# KiCad board sun3_60.kicad_pcb (continued)
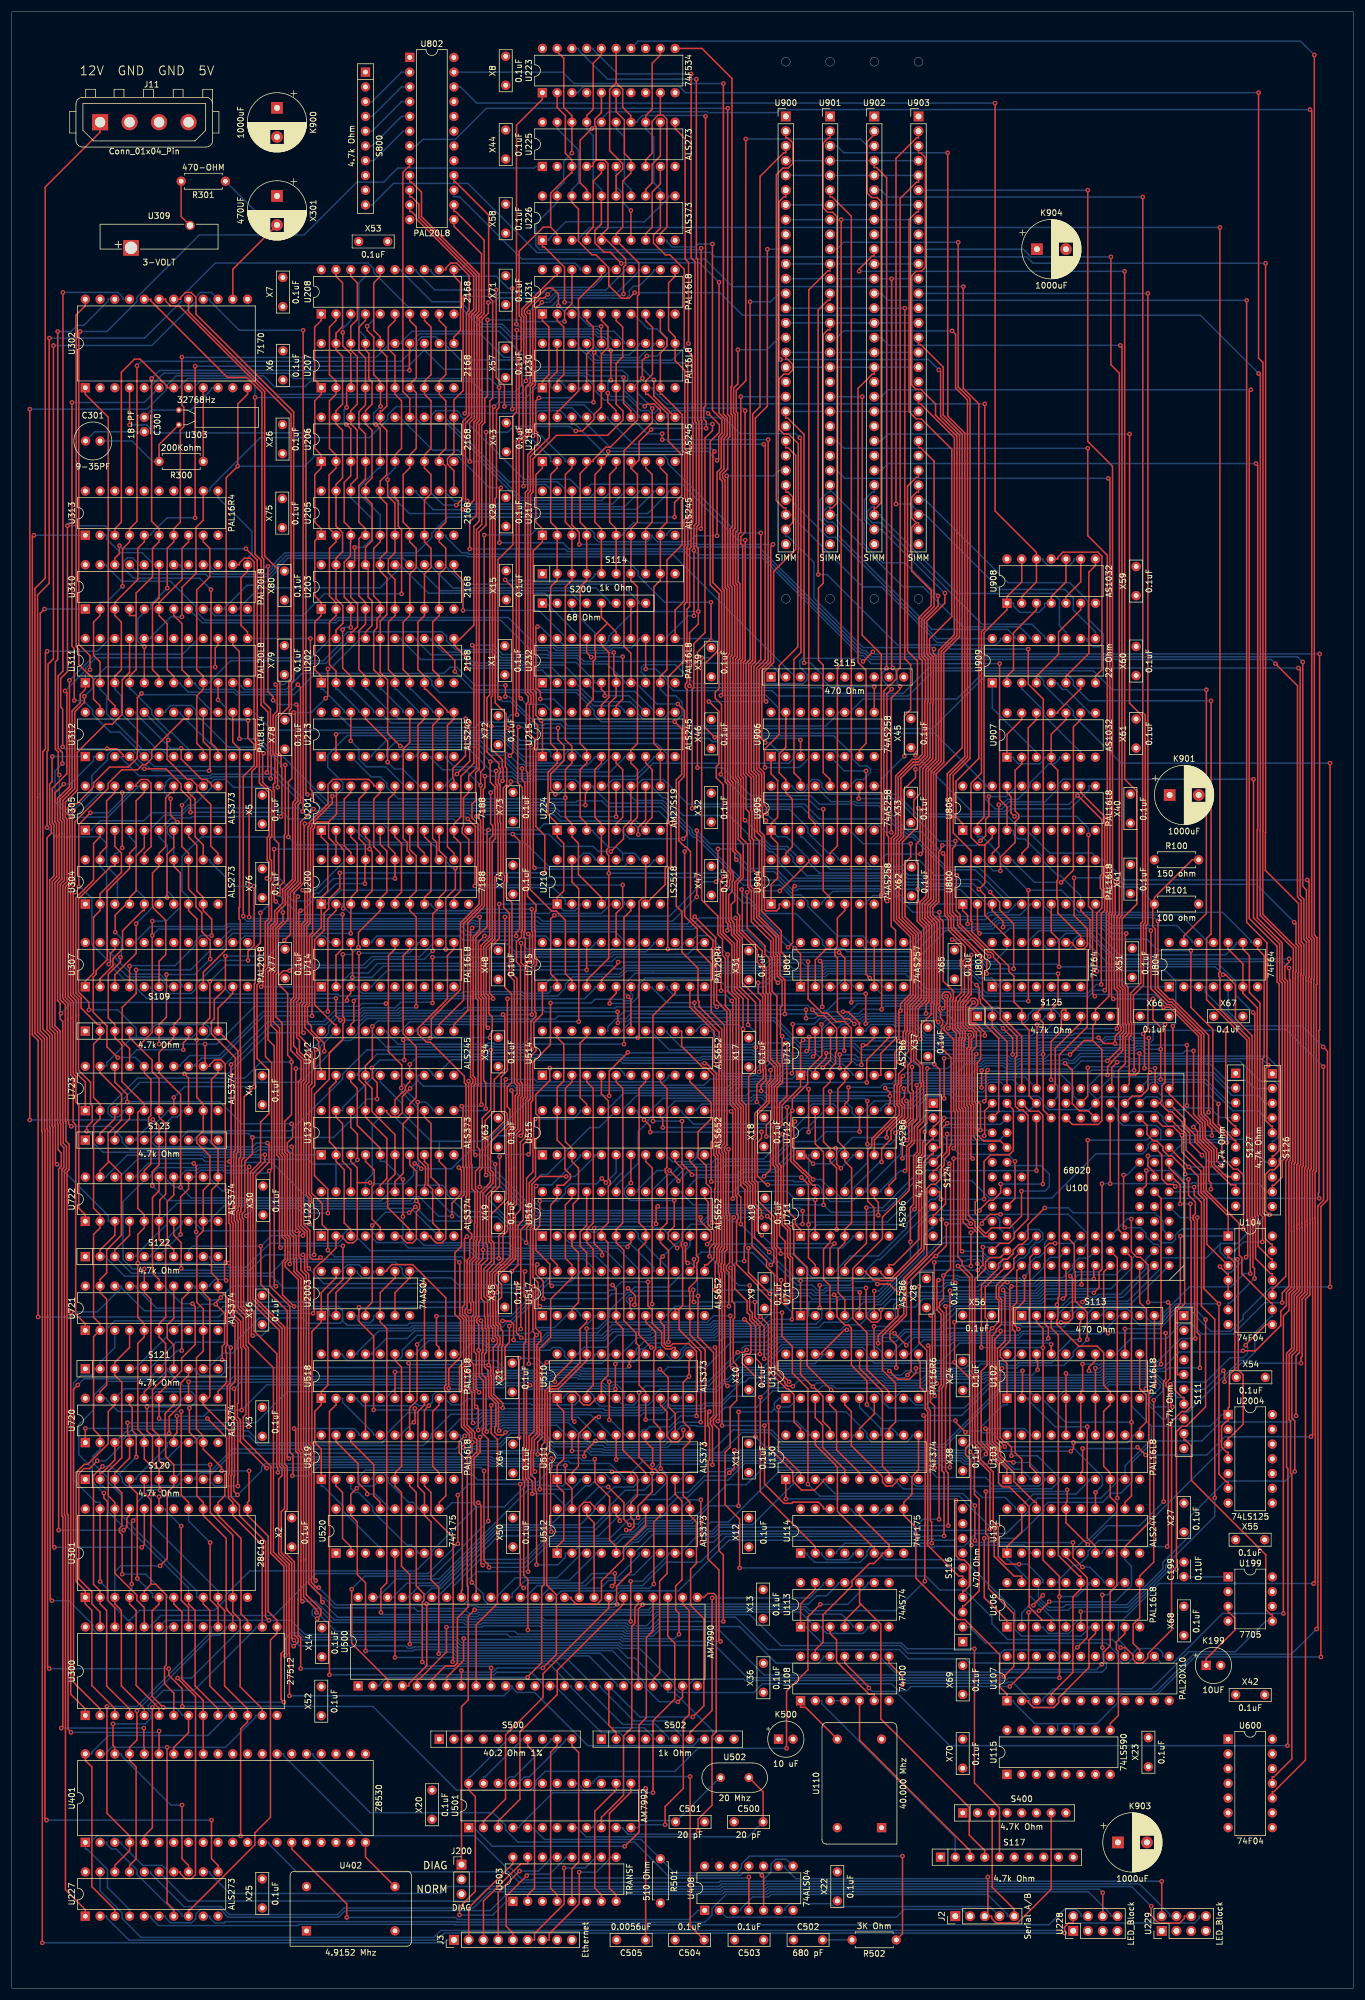
[diagram p0: board, top side]
## Routing (per net, layer and track width the routed paths; a pad name or vN(x,y) marks a point on that pad's centre or on a via; arc(x,y) is an arc through that point) (continued)
/Ethernet/A10: length 383.7
  Top w0.25: U905.10 146.06,205.89 145.92,205.75 v1(145.92,204.84) ; v1(38.92,84.96) 38.26,85.62 38.26,88.11 38.39,88.24 38.39,97.45 37.59,98.25 37.59,103.55 38.48,104.44 38.48,114.09 v1(38.27,114.3) ; v1(162.57,197.54) 162.57,196.76 162.08,196.27 162.08,185.31 162.95,184.44 162.95,183.06 168.34,177.67 v1(168.41,177.67) ; v1(163.74,126.91) 163.46,127.19 163.46,151.19 163.18,151.48 163.18,163.55 163.35,163.72 163.35,164.45 162.55,165.25 162.55,170.04 162.69,170.18 162.69,170.52 163.64,171.48 163.64,175.82 163.41,176.06 163.41,177.03 163.64,177.26 163.64,179.2 162.27,180.57 v1(162.02,180.57) ; v1(167.82,91.98) 168.1,92.26 168.1,92.4 166.39,94.1 166.39,105.6 165.92,106.07 165.92,122.08 167.76,123.92 167.76,125.12 168.47,125.82 170.29,125.82 U100.25 ; U300.21 30.48,65.55 29.21,66.83 v1(29.21,79.6) ; U301.19 v1(25.4,84.66)
  Bottom w0.25: v1(167.82,91.98) 166.58,90.74 164.23,90.74 163.66,91.31 125.92,91.31 125.48,90.87 119.49,90.87 119.47,90.89 108.8,90.89 106.68,88.77 U511.6 105.55,87.64 105.55,87.85 103.02,90.38 96.3,90.38 95.92,90.77 94.79,90.77 94.54,90.51 92.67,90.51 92.41,90.77 82.84,90.77 82.55,91.05 50.89,91.05 50.15,90.31 43.62,90.31 43.07,89.77 43.07,89.12 v1(38.92,84.96) 38.62,84.66 v1(25.4,84.66) ; U100.25 170.37,125.9 168.12,125.9 167.11,126.91 v1(163.74,126.91) ; v1(168.41,177.67) 165.51,180.57 v1(162.02,180.57) ; S121.4 21.45,106.68 21.45,106.94 26.81,112.3 26.81,113.31 U721.7 29.07,114.43 38.14,114.43 v1(38.27,114.3) ; v1(29.21,79.6) 26.53,82.28 26.53,82.56 U301.19 ; v1(145.92,204.84) 152.47,204.84 159.78,197.54 v1(162.57,197.54)
/Ethernet/A11: length 391.5
  Top w0.25: v1(166.37,124.78) 166.37,130.08 165.52,130.94 164.93,130.94 163.91,131.95 163.91,151.38 163.63,151.66 163.63,163.36 163.8,163.53 163.8,164.63 163,165.43 163,169.85 163.39,170.24 163.39,170.48 164.14,171.23 164.14,175.97 163.86,176.24 163.86,176.84 164.28,177.26 164.28,179.34 161.37,182.24 161.37,184.1 160.72,184.75 160.72,195.15 v1(160.45,195.42) ; v1(168.55,90.64) 168.55,92.58 167.02,94.11 167.02,106.24 168.02,107.24 168.02,115.13 167.72,115.44 167.72,120.72 U100.12 ; v1(37.75,110.34) 37.67,110.26 37.67,104.27 37.14,103.74 37.14,97.58 37.94,96.79 37.94,88.43 37.81,88.3 37.81,84.64 39.25,83.2 39.25,81.41 43.74,76.92 43.74,63.94 v1(44.32,63.37) ; v1(114.96,60.98) 114.96,64.59 114.39,65.16 114.39,69.27 115.48,70.36 115.48,83.92 114.3,85.1 U511.9
  Bottom w0.25: S121.5 23.99,106.68 23.99,106.94 28.3,111.25 29.35,111.25 ; U100.12 169.91,122.9 168.25,122.9 v1(166.37,124.78) ; 29.35,111.25 29.35,113.31 U721.8 ; 29.35,111.25 36.84,111.25 v1(37.75,110.34) ; v1(168.55,90.64) 168.2,90.29 164.04,90.29 163.48,90.85 126.11,90.85 124.35,89.1 123.94,89.5 123.34,89.5 122.8,88.97 116.56,88.97 115.43,87.83 115.43,87.64 U511.9 ; U300.23 26.53,63.37 v1(44.32,63.37) 48.12,63.37 50.55,60.94 63.4,60.94 63.46,61 85.34,61 85.82,60.53 105.06,60.53 105.4,60.19 114.18,60.19 v1(114.96,60.98) ; v1(160.45,195.42) 156.71,199.16 154.59,199.16 149.64,204.11 145.62,204.11 145.4,204.34 141.13,204.34 U905.13
/Ethernet/A12: length 446
  Top w0.25: v1(111.68,106.61) 113.11,105.18 113.11,100.17 114.3,98.99 U511.12 ; v1(11.41,103.89) 10.66,103.15 10.66,52.71 15.24,48.13 U300.2 ; U721.13 30.48,119.8 29.32,118.63 v1(29.32,109.82) ; v1(87.32,217.18) 87.18,217.04 87.18,207.58 87.96,206.8 87.96,182.19 87.83,182.05 87.83,180.96 87.64,180.78 87.52,180.78 86.96,180.22 86.96,176.75 87.66,176.05 87.66,156.13 87.97,155.82 87.97,153.63 87.66,153.32 87.66,147.78 87.42,147.54 86.99,147.11 86.99,135.01 86.33,134.35 86.33,125.81 84.59,124.07 84.47,124.07 83.26,122.86 83.26,121.28 83.67,120.86 v1(83.67,119.86) ; v1(158.94,125) 158.94,116.3 159.06,116.18 159.06,104.51 v1(159.39,104.17) ; U906.3 v1(135.91,214.95) ; v1(89.01,119.81) 89.08,119.74 v1(89.08,107.54)
  Bottom w0.25: v1(11.41,103.89) 12.48,104.97 23.69,104.97 S121.6 28.54,109.82 v1(29.32,109.82) ; v1(111.68,106.61) 111.33,106.27 98.23,106.27 97.98,106.52 91.5,106.52 90.48,107.54 v1(89.08,107.54) ; U511.12 114.3,95.76 115.42,96.89 117.99,96.89 118.11,96.76 119.64,96.76 122.92,100.03 128.31,100.03 131.14,102.86 138.78,102.86 139.69,103.78 141.47,103.78 141.93,103.32 153.15,103.32 153.17,103.34 158.56,103.34 v1(159.39,104.17) ; U721.13 31.61,120.93 31.61,120.64 33.73,118.52 35.45,118.52 35.81,118.17 81.98,118.17 v1(83.67,119.86) 83.73,119.81 v1(89.01,119.81) ; v1(158.94,125) 159.15,125.2 164.28,125.2 164.58,125.5 166.69,125.5 167.25,124.95 167.25,124.55 168.44,123.36 169.39,123.36 170.35,124.32 170.35,124.9 171.04,125.59 171.6,125.59 172.55,126.54 172.55,127.16 173.49,128.09 175.09,128.09 U100.36 ; v1(135.91,214.95) 135.63,215.23 121.97,215.23 121.42,214.68 120.71,214.68 120.16,215.23 89.97,215.23 88.02,217.18 v1(87.32,217.18)
/Ethernet/A13: length 498.1
  Top w0.25: v1(66.95,213.91) 64.77,216.1 64.77,225.3 63.5,226.57 U202.16 63.5,235.41 64.64,236.55 64.64,242.86 63.5,243.99 U203.16 63.5,246.25 64.63,247.37 64.63,255.57 63.5,256.69 U205.16 63.5,259.52 64.63,260.65 64.63,268.27 63.5,269.39 U206.16 63.5,271.65 63.83,271.65 64.63,272.44 64.63,280.97 63.5,282.09 U207.16 63.5,284.35 62.37,285.47 62.37,293.67 63.5,294.79 U208.16 ; v1(15.9,85.29) 15.9,84.44 16.51,83.83 16.51,66.82 17.78,65.55 U300.26 ; S121.7 27.94,110.77 26.81,111.9 26.81,114.25 27.94,115.39 U721.14 ; v1(84.28,105.39) 84.42,105.53 84.42,110.52 84.6,110.7 84.6,113.19 84.23,113.55 84.23,114.23 83.84,114.62 83.84,116.69 83.81,116.73 83.81,118.43 84.4,119.02 84.4,121.26 83.81,121.84 83.81,122.76 84.66,123.62 84.78,123.62 86.79,125.62 86.79,133.19 87.64,134.04 87.64,145.7 88.44,146.51 88.44,146.85 88.56,146.97 88.56,152.95 88.87,153.26 88.87,176.12 88.5,176.48 88.5,177.23 88.42,177.31 88.42,179.62 88.48,179.68 88.48,180.79 88.28,180.99 88.28,181.87 88.42,182.01 88.42,207.62 87.93,208.11 v1(87.93,210.02) ; v1(102.95,104.43) v1(102.95,97.88) ; U100.24 172.66,125.66 172.66,124.05 169.61,121 169.61,118.9 170.07,118.45 170.07,114.8 v1(168.93,113.66) 168.47,113.2 168.47,96.09 168.47,93.94 169.45,92.96 169.45,92.39 169.45,92.39 169.45,91.4 171.47,89.39 U103.1 ; v1(125.08,109.52) 126.19,109.52 v1(126.6,109.94)
  Bottom w0.25: v1(87.93,210.02) 87.03,210.02 84.73,212.32 82.37,212.32 80.48,214.21 68.27,214.21 68.05,213.99 68.05,213.9 67.91,213.76 67.11,213.76 v1(66.95,213.91) ; v1(125.08,109.52) 120,104.43 v1(102.95,104.43) 102.48,104.91 97.67,104.91 97.42,105.16 93.28,105.16 93.11,104.99 90.47,104.99 89.98,105.49 84.37,105.49 v1(84.28,105.39) 83.78,104.89 79.85,104.89 79.47,104.51 77.92,104.51 77.85,104.57 77.7,104.57 77.38,104.89 76.05,104.89 75.97,104.97 74.62,104.97 74.55,104.89 38.65,104.89 37.47,103.71 29.53,103.71 26.81,106.42 ; S121.7 26.81,106.68 26.81,106.42 ; 26.81,106.42 24.91,104.52 16.54,104.52 14.11,102.09 14.11,99.61 11.57,97.07 11.57,91.9 13.88,89.59 13.88,87.19 15.79,85.29 v1(15.9,85.29) ; v1(126.6,109.94) 126.62,109.95 130.03,109.95 130.47,110.39 130.69,110.39 132.06,111.75 148.93,111.75 148.98,111.8 149.58,111.8 150.01,111.38 152.33,111.38 153.97,113.02 160.45,113.02 161.09,113.66 v1(168.93,113.66) ; v1(102.95,97.88) 103.16,97.88 105.55,95.48 105.55,95.26 U511.15
/Ethernet/A14: length 493.4
  Top w0.25: U511.16 v1(104.14,91.06) ; v1(79.48,97.36) 79.31,97.54 79.31,102.66 78.85,103.11 78.85,106.07 v1(78.79,106.14) ; v1(14.75,90.84) 13.41,89.5 12.45,89.5 11.57,88.63 11.57,70.51 13.83,68.26 13.83,66.2 15.24,64.78 U300.27 ; v1(27.16,95.57) 27.16,98.46 29.08,100.39 29.08,104.16 30.48,105.55 S121.8 ; v1(54.47,227.19) 54.47,222.49 v1(54.11,222.14) ; U207.17 60.96,282.09 61.53,281.52 61.53,277.12 62.1,276.55 62.1,272.78 60.96,271.65 U206.17 60.96,269.39 62.09,268.27 62.09,260.07 60.96,258.95 U205.17 60.96,256.69 62.09,255.56 62.09,249.25 60.96,248.12 60.96,246.62 ; v1(36.05,118.96) 35.15,118.05 v1(35.15,117.8) 36.69,116.26 36.69,110.95 36.28,110.54 v1(36.28,108.22) ; v1(45.55,120.89) 45.24,121.2 45.24,162.26 44.18,163.32 44.18,175.15 44.6,175.57 44.6,182.9 45.32,183.62 45.32,183.76 45.32,183.77 45.32,185.49 46.68,186.86 46.68,189.24 48.41,190.97 48.41,204.14 48.86,204.59 48.86,219.4 v1(48.59,219.68) ; U100.11 173.14,123.59 173.14,118.1 172.42,117.38 172.42,113.51 172.87,113.06 172.87,92.24 174,91.1 U103.2 ; 60.96,246.62 U203.17 ; 60.96,246.62 60.96,245.47 61.41,245.02 61.41,239.59 62.09,238.91 62.09,234.67 60.96,233.55 U202.17
  Bottom w0.25: U511.16 103.24,95.26 99.71,98.78 83.9,98.78 83.68,98.56 81.1,98.56 79.9,97.36 v1(79.48,97.36) ; 36.7,106.89 36.7,106.15 36.06,105.51 32.49,105.51 31.61,106.4 31.61,106.68 S121.8 ; 36.7,106.89 78.04,106.89 v1(78.79,106.14) ; 36.7,106.89 36.7,107.79 v1(36.28,108.22) ; v1(54.11,222.14) 51.65,219.68 v1(48.59,219.68) ; U721.17 21.45,120.93 21.45,120.64 24.96,117.13 32.09,117.13 32.76,117.8 v1(35.15,117.8) ; v1(14.75,90.84) 16.24,90.84 19.05,93.65 19.05,94.38 20.06,95.39 26.98,95.39 v1(27.16,95.57) ; v1(54.47,227.19) 54.86,227.19 59.83,232.16 59.83,232.42 U202.17 ; v1(104.14,91.06) 104.42,91.34 125.31,91.34 125.74,91.76 163.85,91.76 164.42,91.19 165.68,91.19 167.25,92.76 168.47,92.76 172.88,88.34 172.88,87.64 U103.2 ; U207.17 60.96,284.35 59.83,285.47 59.83,293.67 60.96,294.79 U208.17 ; v1(36.05,118.96) 37.99,120.89 v1(45.55,120.89)
/Ethernet/A15: length 540.3
  Top w0.25: U202.18 58.42,233.55 58.66,233.55 59.6,234.48 59.6,238.35 58.42,239.53 U203.18 59.1,245.8 v1(59.1,248.11) ; v1(45.51,187.15) 45.23,187.44 45.23,188.86 45.25,188.88 45.25,189.59 46,190.35 46,197.13 45.27,197.87 45.27,206.28 45.08,206.46 45.08,207.31 45.36,207.59 45.36,212.22 45.04,212.53 45.04,219.21 45.76,219.93 45.76,224.21 v1(45.48,224.48) ; v1(46.73,185.24) 46.73,183.76 45.5,182.53 45.5,175.2 45.08,174.77 45.08,166.45 46.15,165.39 46.15,143.64 46.6,143.19 46.6,129.39 47.1,128.89 47.1,127.04 47.1,125.58 46.67,125.15 46.67,119.41 v1(48.66,117.42) ; U103.3 176.55,88.77 175.41,89.9 175.41,125.86 U100.23 ; U511.19 v1(96.52,92.53) ; v1(81.84,95.85) 81.72,95.97 81.72,105.07 81,105.79 81,109.39 81.18,109.57 81.18,113.45 81.04,113.59 81.04,114.77 v1(80.86,114.95) ; U205.18 58.42,258.95 59.55,260.07 59.55,268.27 58.42,269.39 U206.18 58.42,271.65 59.55,272.77 59.55,280.97 58.42,282.09 U207.18 58.42,286.21 59.56,287.35 59.56,293.66 58.42,294.79 U208.18 ; U300.1 12.7,48.13 10.18,50.65 10.18,116.39 v1(10.28,116.48)
  Bottom w0.25: v1(81.84,95.85) 82.74,96.76 84.42,96.76 84.64,96.97 93.9,96.97 95.39,95.48 95.39,95.26 U511.19 ; 18.91,120.64 18.91,120.93 U721.18 ; 18.91,120.64 14.75,116.48 v1(10.28,116.48) ; 18.91,120.64 22.88,116.67 35.72,116.67 36.47,117.42 v1(48.66,117.42) 56.31,117.42 57.01,116.73 57.01,115.38 ; 57.01,115.38 57.01,114.94 56.59,114.53 50.98,114.53 50.06,115.44 42.68,115.44 38.76,111.52 38.76,110.08 38.05,109.37 36.4,109.37 34.15,107.12 34.15,106.68 S121.9 ; 57.01,115.38 57.01,114.95 57.78,114.18 68.16,114.18 68.56,114.57 77.59,114.57 77.98,114.95 v1(80.86,114.95) ; v1(46.73,185.24) 46.73,185.93 v1(45.51,187.15) ; U202.18 54.13,228.13 50.6,228.13 46.96,224.48 v1(45.48,224.48) ; U103.3 175.42,87.64 175.42,87.9 173.94,89.38 172.72,89.38 168.89,93.21 167,93.21 165.44,91.64 164.6,91.64 164.04,92.21 125.55,92.21 125.13,91.79 101.63,91.79 101.58,91.84 99.76,91.84 99.04,92.56 96.55,92.56 v1(96.52,92.53) ; v1(59.1,248.11) 60.54,248.11 62.09,249.66 62.09,253.03 58.42,256.69 U205.18
/Ethernet/A16: length 502.8
  Top w0.25: v1(89.98,120.9) 90.25,120.62 90.25,113.7 91.16,112.79 91.16,111.51 90.48,110.83 90.48,95.56 89.6,94.67 89.6,92.6 89.43,92.43 89.43,88.5 90.21,87.73 90.21,85.69 90.43,85.46 v1(90.43,72.95) ; v1(173.43,113.53) 172.88,114.07 172.88,116.78 174.48,118.38 v1(174.48,122.54) ; U208.19 55.88,294.79 57.01,293.67 57.01,286.12 55.88,285 U207.19 55.88,282.09 57.01,280.96 57.01,272.78 55.88,271.65 U206.19 55.88,269.39 57.01,268.27 57.01,260.07 55.88,258.95 U205.19 55.88,251.8 57.01,250.67 57.01,247.37 55.88,246.25 U203.19 55.88,239.27 57.06,238.08 57.06,235.04 55.88,233.85 U202.19 ; U722.3 17.78,129.67 15.24,127.13 S122.2 ; v1(170.38,113.21) 170.38,112.8 169.38,111.79 169.38,95.71 169.38,95.71 169.38,94.31 170.36,93.33 170.36,91.78 171.4,90.73 172.4,90.73 v1(172.57,90.56) ; v1(9.21,223.4) 9.52,223.09 9.52,209.13 7.01,206.63 7.01,200.64 7.28,200.37 7.28,198.28 7.29,198.27 7.29,191.54 6.56,190.8 6.56,165.32 7.46,164.42 7.46,148.56 7.55,148.47 7.55,142.16 v1(7.82,141.88)
  Bottom w0.25: v1(7.82,141.88) 16.65,133.05 16.65,132.08 U722.3 ; U202.19 54.75,232.42 54.75,232.22 51.62,229.09 14.52,229.09 12.78,227.34 12.78,226.96 v1(9.21,223.4) ; 178.14,87.64 177.96,87.64 177.96,87.45 177.01,86.5 169.27,86.5 167.79,87.97 159.39,87.97 158.14,89.22 132.4,89.22 123.47,80.29 120.45,80.29 119.32,79.17 109.63,79.17 107.73,77.27 106.59,77.27 105.42,76.1 97.67,76.1 U512.2 95.39,74.94 95.39,74.24 94.1,72.95 v1(90.43,72.95) ; 178.14,87.64 178.14,87.72 175.3,90.56 v1(172.57,90.56) ; 178.14,87.64 U103.4 ; S122.2 16.37,126.01 16.37,125.72 19.46,122.63 44.84,122.63 46.88,120.59 89.67,120.59 v1(89.98,120.9) ; v1(170.38,113.21) 173.11,113.21 v1(173.43,113.53) ; v1(174.48,122.54) 175.18,123.24 175.18,124.65 176.44,125.91 177.04,125.91 177.97,126.84 177.97,128.43 U100.35
/Ethernet/A17: length 387.8
  Top w0.25: v1(60.85,190.22) 60.85,193.09 60.96,193.19 U200.19 60.96,195.45 60.94,195.47 60.94,196.88 59.83,197.99 59.83,204.77 60.96,205.89 U201.19 ; U512.5 104.14,76.07 103.01,77.19 103.01,84.63 100.47,87.17 v1(100.47,91.11) ; v1(53.22,125.85) 52.88,125.51 51.84,125.51 51.38,125.97 51.38,130.5 50.31,131.57 50.31,132.16 50.31,132.17 50.31,155.76 50.76,156.21 50.76,160.11 49.57,161.3 49.57,163.26 49.1,163.74 49.1,169.88 49.49,170.28 49.49,185.3 v1(49.78,185.59) ; v1(77.12,125.02) 77.21,124.93 77.21,115.85 77.87,115.19 77.87,107.72 77.16,107.01 77.16,102.89 77.5,102.55 77.5,96.71 78.86,95.35 78.86,94.52 77.81,93.47 v1(77.81,93.13) ; U100.34 183.06,128.1 183.06,123.53 183.23,123.36 183.23,118.33 184.57,117 184.68,117 185.3,116.37 v1(185.3,111.72) ; v1(170.58,106.79) 170.28,106.5 170.28,94.85 171.04,94.09 171.33,94.09 172.23,93.19 v1(172.23,91.71) ; S122.3 17.78,127.13 20.32,129.67 U722.4
  Bottom w0.25: v1(77.81,93.13) 78.09,92.86 79.83,92.86 79.84,92.85 80.35,92.85 80.62,92.57 88.64,92.57 88.78,92.71 92.52,92.71 93.9,91.34 97.89,91.34 98.36,90.86 100.22,90.86 v1(100.47,91.11) ; U512.5 105.27,74.94 105.27,75.15 106.93,76.81 107.92,76.81 109.82,78.71 120.65,78.71 121.78,79.84 127.63,79.84 134.69,86.9 134.69,88.07 135.39,88.77 154.2,88.77 155.1,87.87 155.1,87.17 155.81,86.46 168.42,86.46 168.86,86.03 179.17,86.03 180.5,87.36 180.5,87.64 ; 180.5,87.64 180.5,87.9 176.69,91.71 v1(172.23,91.71) ; 180.5,87.64 U103.5 ; v1(77.12,125.02) 76.62,125.52 53.27,125.52 53.22,125.57 ; 53.22,125.57 47.19,125.57 44.75,123.14 20.65,123.14 S122.3 ; 53.22,125.57 v1(53.22,125.85) ; v1(185.3,111.72) 184.08,110.49 183.77,110.49 182.9,109.62 182.9,108.9 181.24,107.25 173.59,107.25 173.14,106.79 v1(170.58,106.79) ; v1(49.78,185.59) 50.16,185.59 52.52,187.95 53.69,187.95 55.95,190.22 v1(60.85,190.22)
/Ethernet/A18: length 376.9
  Top w0.25: v1(104.3,66.11) 104.22,66.19 104.22,69.24 106.68,71.69 U512.6 ; v1(52.12,126.3) 52.12,134.94 51.67,135.39 51.67,136.31 51.21,136.76 51.21,155.29 51.73,155.8 51.73,161.21 50.54,162.4 50.54,163.03 49.55,164.03 49.55,169.47 49.95,169.87 49.95,183.19 50.51,183.75 50.51,188.96 50.37,189.09 v1(50.12,189.09) ; U200.20 58.42,195.6 57.29,196.73 57.29,204.77 58.42,205.89 U201.20 ; v1(29.21,123.98) 29.21,128.41 27.94,129.68 U722.7 ; v1(52.91,69.01) 52.76,68.86 52.67,68.86 51.65,69.88 51.65,93.27 51.2,93.72 51.2,122.93 50.47,123.66 50.47,126.02 v1(50.2,126.3) ; v1(159.67,121.96) 159.39,121.68 159.39,116.81 160.12,116.08 160.12,103.87 159.76,103.51 v1(159.76,80.78)
  Bottom w0.25: v1(50.12,189.09) 52.35,189.09 57.29,194.04 57.29,194.32 U200.20 ; v1(52.12,126.3) v1(50.2,126.3) 43.7,126.3 41.05,123.64 29.55,123.64 v1(29.21,123.98) ; v1(52.91,69.01) 55.88,66.04 70.33,66.04 70.95,65.42 78.41,65.42 78.91,65.91 80.06,65.91 80.33,65.64 103.82,65.64 v1(104.3,66.11) ; S122.4 21.45,126.01 21.45,126.29 26.81,131.65 26.81,132.08 U722.7 ; v1(159.67,121.96) 161.98,121.96 162.26,122.23 162.86,122.23 163.17,121.93 170.85,121.93 171.23,122.3 173.69,122.3 174.18,121.82 175.46,121.82 177.81,124.17 177.81,124.79 178.9,125.87 180.5,125.87 U100.21 ; v1(159.76,80.78) 157,80.78 155.61,79.39 121.97,79.39 120.84,78.26 110.56,78.26 107.24,74.94 U512.6
/Ethernet/A19: length 373.2
  Top w0.25: v1(161.35,79.66) 161.35,88.69 160.87,89.18 160.87,103.35 161.02,103.5 161.02,117.31 v1(160.88,117.45) ; U200.21 55.88,196.86 54.59,198.15 54.59,200.83 ; 49.33,130.63 48.96,131 v1(48.96,158.36) ; 49.33,130.63 49.7,130.26 49.7,130.16 49.47,129.93 49.47,126 49.83,125.64 49.83,123.66 50.75,122.74 50.75,93.35 51.2,92.9 51.2,92.88 51.2,92.88 51.2,69.7 53.25,67.65 53.25,66.83 v1(53.57,66.51) ; 49.33,130.63 v1(49.13,130.44) ; U100.8 181.62,119.25 v1(181.12,118.74) ; U201.21 55.88,205.89 55.97,205.81 55.97,202.2 54.59,200.83 ; 54.59,200.83 52.65,200.83 52.19,200.37 52.19,199.85 51.94,199.59 51.94,188.47 51.86,188.4 51.86,181.82 51.3,181.26 51.3,169.3 50.96,168.96 50.96,166.32 51.64,165.64 51.64,164.94 53.87,162.71 v1(53.87,161.36) ; v1(106.63,63.18) v1(106.63,70.1)
  Bottom w0.25: v1(53.87,161.36) 50.86,158.36 v1(48.96,158.36) ; v1(181.12,118.74) 181.1,118.72 178.23,118.72 177.41,117.89 170.62,117.89 170.34,118.18 162.73,118.18 162.01,117.45 v1(160.88,117.45) ; S122.5 23.99,126.01 23.99,126.29 29.35,131.66 29.35,132.08 U722.8 31.61,132.08 31.61,131.8 32.97,130.44 v1(49.13,130.44) ; v1(106.63,70.1) 108.62,70.1 113.17,74.66 113.17,74.94 U512.9 115.43,74.94 115.43,75.22 118.01,77.8 121.11,77.8 122.02,78.71 155.57,78.71 156.52,79.66 v1(161.35,79.66) ; v1(53.57,66.51) 56.17,63.9 78.19,63.9 78.54,63.55 80.43,63.55 80.71,63.83 91.47,63.83 91.92,63.38 106.43,63.38 v1(106.63,63.18)
/Ethernet/A20: length 407.7
  Top w0.25: v1(48.35,88.25) 48.49,88.39 48.49,91.77 47.94,92.32 47.94,117.47 44.48,120.93 44.48,140.64 v1(44.37,140.75) 44.79,141.17 44.79,159.36 43.72,160.43 43.72,175.33 44.15,175.76 44.15,183.31 44.75,183.92 44.75,184.02 44.78,184.04 44.78,189.04 44.8,189.06 44.8,190.25 45.22,190.68 v1(45.22,196.17) ; v1(81.38,89.1) 81.38,73.67 82.25,72.8 v1(82.25,72.49) ; v1(165.24,130.12) v1(165.24,124.38) ; v1(167.15,131.68) 167.15,131.94 168.49,133.27 v1(170.35,133.27) ; v1(29.11,129.82) 29.11,136.27 30.48,137.64 U722.13 ; U201.4 60.96,198.27 61.67,197.56 v1(61.67,196.17) 62.1,195.74 62.1,188.96 60.96,187.83 U200.4 ; v1(168.53,79.04) 168.53,88.82 166.45,90.91 166.45,92.56 165.48,93.52 165.49,93.54 165.49,105.23 165.02,105.7 165.02,122.37 v1(163.02,124.38) ; v1(118.91,76.83) v1(118.91,80.74) 118.73,80.92 v1(118.73,84.14)
  Bottom w0.25: v1(44.37,140.75) 44,140.38 36.85,140.38 36.36,140.87 32.56,140.87 31.61,139.92 31.61,139.7 U722.13 ; v1(48.35,88.25) 51.17,88.25 52.62,89.7 80.79,89.7 v1(81.38,89.1) ; v1(168.53,79.04) 168.35,78.86 156.36,78.86 155.76,78.26 122.34,78.26 120.92,76.83 v1(118.91,76.83) ; v1(165.24,130.12) 165.59,130.12 v1(167.15,131.68) ; v1(163.02,124.38) v1(165.24,124.38) ; v1(29.11,129.82) 25.4,126.11 S122.6 ; U100.20 185.3,128.14 185.3,130.02 182.04,133.27 v1(170.35,133.27) ; v1(61.67,196.17) v1(45.22,196.17) ; U512.12 115.43,82.56 115.43,82.82 116.74,84.14 v1(118.73,84.14) ; v1(82.25,72.49) 88.51,72.49 92.56,76.55 104.26,76.55 105.43,77.72 107.55,77.72 109.45,79.62 117.78,79.62 v1(118.91,80.74)
/Ethernet/A21: length 370.2
  Top w0.25: v1(159,89.66) 159,100.25 158.27,100.97 158.27,103.03 158.15,103.16 158.15,110.39 v1(157.87,110.68) ; U722.14 27.94,136.6 26.81,135.47 26.81,128.26 27.94,127.13 S122.7 ; v1(40.92,141.44) 40.69,141.21 40.69,133.01 ; v1(59.75,179.28) 59.75,181.82 63.5,185.57 U200.5 63.5,187.64 64.63,188.77 64.63,195.83 63.5,196.97 U201.5 ; v1(105.87,78.92) 106.63,78.92 107.2,79.49 107.2,80.55 106.68,81.07 U512.15 106.68,83.69 107.81,84.81 107.81,88.14 107.01,88.93 v1(103.44,88.93) ; 40.69,133.01 v1(40.42,133.01) ; 40.69,133.01 40.69,117.57 41.76,116.51 41.76,113.2 45.68,109.28 45.68,89.74 45.85,89.56 v1(45.85,88.84) ; v1(178.59,111.91) 178.59,113.8 177.96,114.43 177.96,116.31 177.98,116.33 177.98,127.54 178.71,128.27 v1(179.76,128.27) ; v1(54.47,133.49) 54.47,137.63 52.17,139.92 52.17,153.99 54.73,156.54 54.73,161.1 57.06,163.43 57.06,166.1 57.35,166.39 57.35,166.99 57.06,167.28 v1(57.06,178.03)
  Bottom w0.25: v1(54.47,133.49) 50.13,133.49 49.33,134.29 41.7,134.29 v1(40.42,133.01) ; v1(40.92,141.44) 40.31,140.83 37.04,140.83 36.55,141.32 32.32,141.32 31.87,140.87 30.02,140.87 29.07,139.92 29.07,139.7 U722.14 ; v1(105.87,78.92) 106.18,78.62 107.17,78.62 109.07,80.52 117.02,80.52 117.25,80.75 117.25,80.75 123.24,86.75 126.58,86.75 129.58,89.75 158.91,89.75 v1(159,89.66) ; v1(45.85,88.84) 46.23,89.22 50.83,89.22 51.76,90.15 82.19,90.15 82.47,89.86 92.04,89.86 92.59,89.31 103.07,89.31 v1(103.44,88.93) ; v1(179.76,128.27) 182.9,128.27 U100.33 ; v1(57.06,178.03) 58.5,178.03 v1(59.75,179.28) ; v1(157.87,110.68) 161.65,110.68 162.51,111.55 178.23,111.55 v1(178.59,111.91)
/Ethernet/A22: length 384
  Top w0.25: v1(47.76,91.22) 47.48,91.49 47.48,116.65 42.92,121.21 v1(42.92,127.79) ; v1(170.79,120.26) 171.11,119.94 171.11,111.43 169.83,110.15 169.83,95.52 169.83,94.59 171.08,93.34 v1(171.08,93.27) ; v1(31.38,142.05) 31.79,141.64 v1(31.79,130.25) ; U200.6 66.04,187.64 67.17,188.77 67.17,197.15 66.04,198.27 U201.6 ; U512.16 104.14,81.43 104.75,80.82 v1(104.75,80.49) ; v1(123.64,88.78) 124.5,89.64 v1(124.5,92.66) ; v1(184.31,121.18) 184.31,124.31 U100.7 ; v1(50.2,129.63) 50.47,129.9 50.47,130.13 49.41,131.19 49.41,135.79 49.41,135.79 49.41,156.13 49.86,156.58 49.86,159.73 48.1,161.49 48.1,170.16 48.59,170.65 48.59,188.59 50.39,190.4 50.39,200.41 v1(50.52,200.54) ; v1(92.97,78.63) 92.85,78.76 92.85,89.55 93.05,89.76 93.05,91.16 v1(92.97,91.24)
  Bottom w0.25: U722.17 21.45,139.7 21.45,139.98 23.52,142.05 v1(31.38,142.05) ; U512.16 100.21,78.63 v1(92.97,78.63) ; v1(171.08,93.27) 170.42,93.27 169.54,94.15 165.66,94.15 164.17,92.66 v1(124.5,92.66) ; v1(50.52,200.54) 63.98,200.54 64.91,199.61 64.91,199.4 U201.6 ; S122.8 30.48,127.13 31.13,127.79 31.79,127.79 ; v1(47.76,91.22) 48.05,91.5 79.03,91.5 79.03,91.5 82.74,91.5 83.03,91.22 92.95,91.22 v1(92.97,91.24) ; 31.79,127.79 v1(42.92,127.79) 44.76,129.63 v1(50.2,129.63) ; 31.79,127.79 v1(31.79,130.25) ; v1(123.64,88.78) 123.08,88.22 119.35,88.22 116.51,85.38 114.53,85.38 113.32,84.17 109.17,84.17 107.95,82.96 107.95,82.23 107.15,81.43 105.69,81.43 v1(104.75,80.49) ; v1(170.79,120.26) 170.81,120.26 171.37,119.7 176.57,119.7 177.88,121.01 184.14,121.01 v1(184.31,121.18)
/Ethernet/A23: length 362.7
  Top w0.25: v1(95.38,90.03) 95.38,87.19 96.52,86.05 U512.19 ; 37.69,124.88 37.69,115.92 39,114.61 39,110.18 39.05,110.13 39.05,100.81 38.9,100.67 38.9,98.36 39.4,97.86 39.4,94.21 39.4,94.21 39.4,94.11 v1(43.92,89.59) ; 37.69,124.88 37.69,131.52 37.43,131.78 37.43,134.84 37.8,135.21 37.8,142.37 ; 37.69,124.88 v1(37.41,124.88) ; 37.8,142.37 v1(37.8,159.06) ; 37.8,142.37 v1(37.53,142.37) ; U201.7 68.58,198.27 68.58,198.27 68.58,196.1 69.71,194.98 69.71,188.96 68.58,187.83 U200.7 68.58,185.57 69.71,184.45 v1(69.71,169.09) ; v1(106.44,79.8) 105.48,80.76 105.48,83.64 v1(102.77,86.35) ; v1(186.43,122.16) 186.43,124.18 U100.6 ; v1(161.63,120.12) v1(161.63,89.72)
  Bottom w0.25: v1(43.92,89.59) 44.01,89.68 50.24,89.68 51.16,90.6 78.66,90.6 78.66,90.6 82.37,90.6 82.66,90.31 92.23,90.31 92.48,90.06 95.35,90.06 v1(95.38,90.03) ; v1(37.41,124.88) 34.99,124.88 34.15,125.72 34.15,126.01 S122.9 ; v1(69.71,169.09) 69.45,168.84 66.78,168.84 66.33,168.38 60.61,168.38 60.16,167.93 56.09,167.93 54.12,165.96 44.7,165.96 v1(37.8,159.06) ; v1(37.53,142.37) 33.33,142.37 32.84,142.86 21.78,142.86 18.91,139.98 18.91,139.7 U722.18 ; v1(186.43,122.16) 184.18,122.16 183.48,121.46 177.68,121.46 176.36,120.15 171.92,120.15 171.09,120.98 167.48,120.98 166.62,120.12 v1(161.63,120.12) ; v1(106.44,79.8) 106.62,79.97 107.89,79.97 108.93,81.02 111.82,81.02 113.03,82.23 113.03,82.89 114.63,84.48 116.38,84.48 119.39,87.49 123.39,87.49 126.3,90.4 159.71,90.4 160.39,89.72 v1(161.63,89.72) ; v1(102.77,86.35) 101.15,86.35 97.65,82.84 97.65,82.56 U512.19
/Ethernet/A24: length 338.4
  Top w0.25: v1(119.81,128.14) 120.52,128.85 120.52,130.22 118.71,132.04 v1(118.71,132.75) ; v1(147.19,120.61) 147.19,115.63 148.11,114.71 149.1,114.71 149.73,115.34 v1(149.73,116.84) ; U201.8 71.12,198.27 72.25,197.15 72.25,188.95 71.12,187.83 U200.8 ; U723.3 17.78,149.73 15.24,147.19 S123.2 ; v1(81.74,140.02) 81.59,140.17 81.59,149.43 83.14,150.99 83.14,156.47 84.95,158.28 84.95,167.38 v1(84.65,167.67) ; U132.18 176.55,83.69 176.26,83.69 172.65,87.3 172.65,88.84 171.55,89.94 171.55,89.94 169.9,91.59 169.9,92.2 169.9,92.21 169.9,93.14 168.93,94.12 168.93,112.37 169.66,113.1 169.66,113.51 170.52,114.37 170.52,118.63 170.06,119.09 170.06,120.56 171.08,121.58 v1(171.53,121.58) ; v1(89.59,185.83) 89.59,182.01 89.73,181.87 89.73,177.78 89.68,177.73 89.68,177.36 89.96,177.09 89.96,176.48 89.59,176.12 v1(89.59,167.67)
  Bottom w0.25: U100.19 185.44,125.73 183.83,125.73 182.76,124.66 182.76,124.05 181.08,122.37 177.18,122.37 176.18,121.37 173.99,121.37 173.75,121.61 171.55,121.61 v1(171.53,121.58) 171.43,121.48 167.11,121.48 166.42,120.78 162.26,120.78 161.98,121.06 161.17,121.06 159.93,119.82 154.1,119.82 152.91,118.63 151.52,118.63 v1(149.73,116.84) ; v1(119.81,128.14) 119.86,128.18 127.98,128.18 130.87,125.29 131.08,125.29 135.27,121.09 137.94,121.09 138.81,120.22 139.81,120.22 140.2,120.61 v1(147.19,120.61) ; v1(89.59,185.83) 80.32,185.83 80.04,185.55 73.21,185.55 72.25,186.52 72.25,186.7 U200.8 ; v1(81.74,140.02) 83.12,140.02 90.11,133.03 118.43,133.03 v1(118.71,132.75) ; U723.3 17.78,151.65 22.14,156.01 49.81,156.01 57.01,163.21 58.41,163.21 59.69,164.49 59.69,165.51 61.2,167.01 67.04,167.01 67.44,167.41 84.39,167.41 v1(84.65,167.67) v1(89.59,167.67)